# Altium PCB JacdacRp2040BrainEc30-NoStamp 124.PcbDoc (part 2 of 2) (continued)
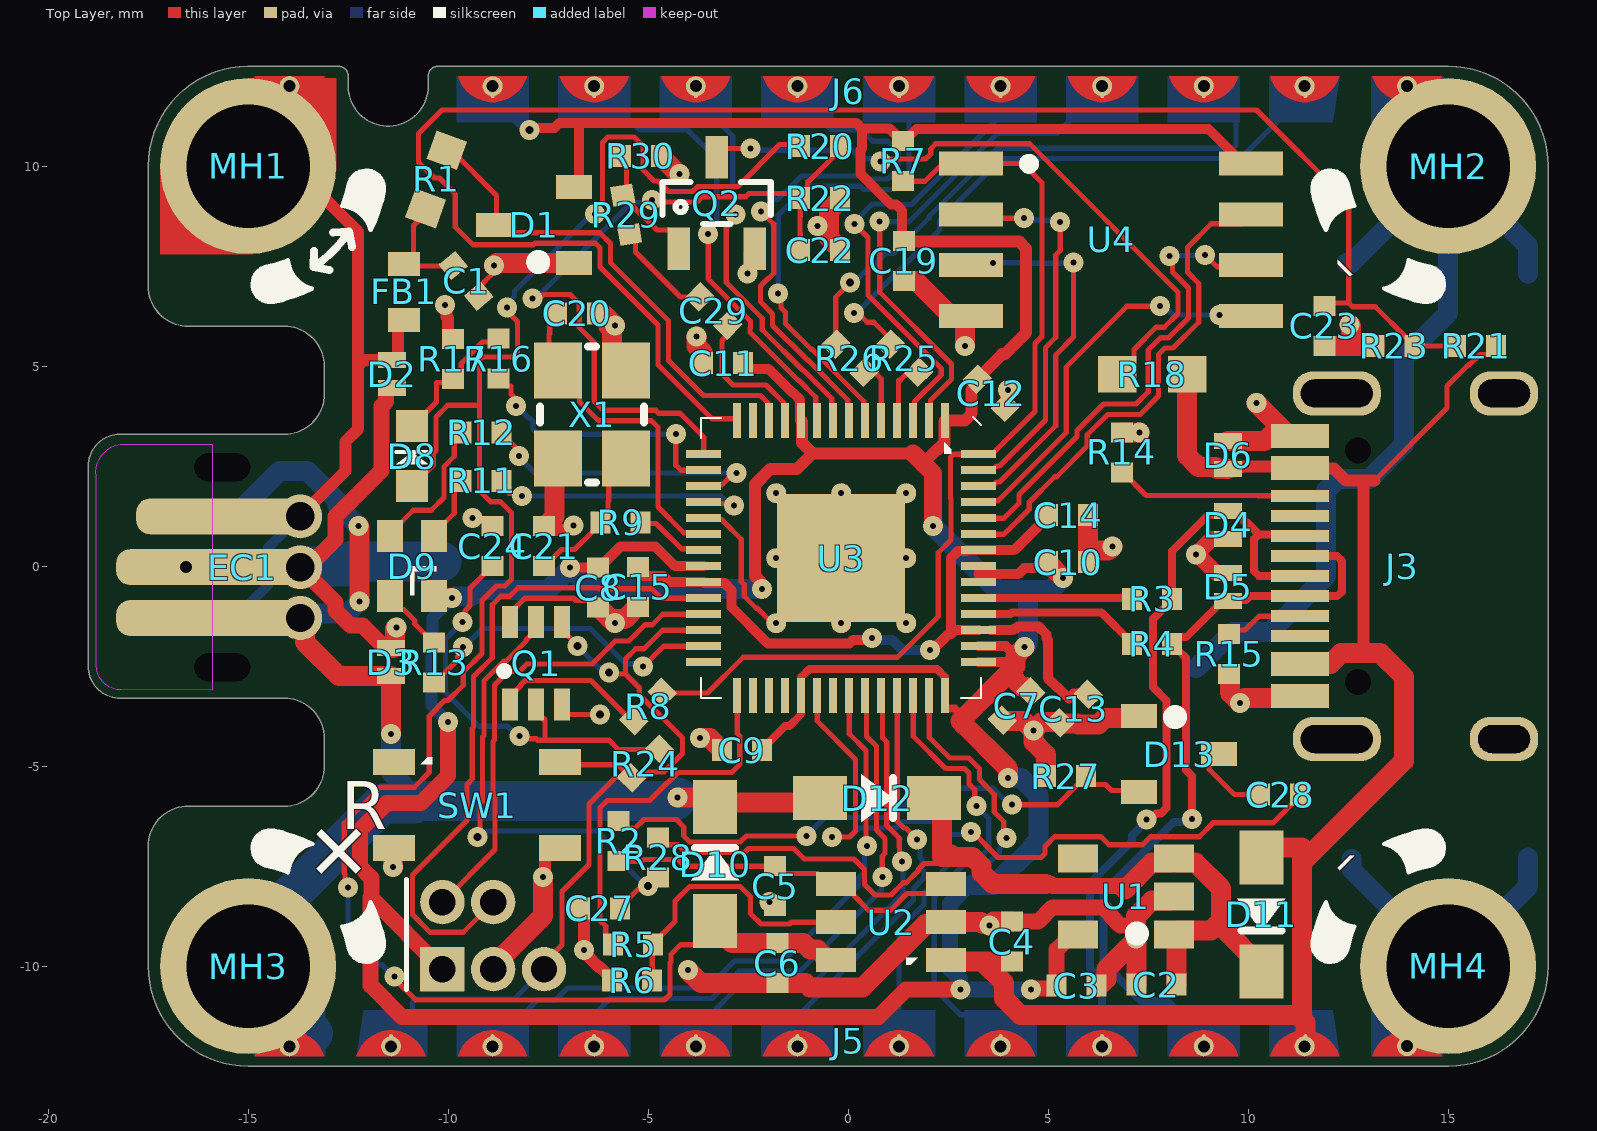
[diagram p0: Top Layer view]
## Nets (pads, with @x,y where several pads share a name; then routed paths per layer and width w, separated by ;. In a path a pad name is that pad's centre, name@x,y a point inside that pad or via, vN(x,y) a via of type N, cw(c..) or ccw(c..) an arc to the next point about the centre after c; other vN are vias at no path point) (continued)
  Bottom Layer w0.13: v1(-9.626,-2.021) -9.609,-2.021 -9.143,-1.555 -6.45,-1.555 -5.568,-2.436 -5.196,-2.436 v1(-5.126,-2.507)
MCU_QSPI_SCLK: U3.52 U4.6 | length 12.1
  Top Layer w0.13: U3.52@3.263,1.2 3.895,1.2 4.268,1.573 4.268,1.794 5.717,3.243 5.717,3.392 6.379,4.054 7.193,4.054 7.499,4.36 7.499,5.406 7.805,5.712 8.009,5.712 8.505,6.208 8.505,6.959 8.106,7.358 8.106,7.686 v1(8.035,7.756) ; v1(8.925,7.781) 9.22,7.486 10.032,7.486 U4.6@10.07,7.525
  Bottom Layer w0.13: v1(8.035,7.756) 8.047,7.769 8.913,7.769 v1(8.925,7.781)
MCU_QSPI_SD0: U3.53 U4.5 | length 9.9
  Top Layer w0.13: U3.53@3.263,1.6 3.298,1.635 3.742,1.635 5.449,3.343 5.449,4.984 6.965,6.5 v1(7.8,6.5) ; v1(9.281,6.28) 9.306,6.255 U4.5@10.07,6.255
  Bottom Layer w0.13: v1(7.8,6.5) 7.9,6.5 8.12,6.28 v1(9.281,6.28)
MCU_QSPI_SD1: U3.55 U4.2 | length 10.8
  Top Layer w0.13: U4.2@3.07,8.795 3.37,8.795 3.465,8.7 v1@4.262,8.7 ; U3.55@3.263,2.4 3.298,2.435 3.635,2.435 3.705,2.505 3.781,2.505 4.929,3.654 4.929,5.462 5.189,5.722 5.189,7.781 5.3,7.892 v1(5.3,8.6) ; v1@4.365,8.597 v1@4.262,8.7 ; v1@4.262,8.7 v1(4.4,8.7) ; v1@4.262,8.7 v1(4.4,8.7) ; v1@4.262,8.7 v1(4.4,8.7) ; v1@4.262,8.7 v1(4.4,8.7) ; v1@4.262,8.7 v1(4.4,8.7) ; v1@4.262,8.7 v1(4.4,8.7) ; v1@4.262,8.7 v1(4.4,8.7) ; v1@4.262,8.7 v1(4.4,8.7) ; v1@4.262,8.7 v1(4.4,8.7)
  Bottom Layer w0.13: v1(4.4,8.7) 4.452,8.648 4.453,8.65 5.25,8.65 v1(5.3,8.6)
MCU_QSPI_SD2: U3.54 U4.3 | length 8.9
  Top Layer w0.13: U3.54@3.263,2 3.6,2 3.705,2.105 3.781,2.105 5.189,3.514 5.189,5.283 5.634,5.727 v1(5.634,7.597)
  Bottom Layer w0.13: v1(3.62,7.586) 4.484,7.586 4.497,7.573 5.611,7.573 v1(5.634,7.597)
MCU_QSPI_SD3: U3.51 U4.7 | length 12.5
  Top Layer w0.13: U3.51@3.263,0.8 3.895,0.8 4.528,1.433 4.528,1.604 5.161,2.237 5.211,2.237 5.977,3.003 5.977,3.285 6.486,3.794 7.301,3.794 7.759,4.252 7.759,5.299 7.913,5.452 8.117,5.452 8.765,6.1 8.765,7.067 8.48,7.352 8.48,7.965 9.074,8.56 9.835,8.56 U4.7@10.07,8.795
MCU_QSPI_SS: R7.2 R8.1 U3.56 U4.1 | length 24
  Top Layer w0.13: R8.1@-4.652,-3.153 -4.634,-3.171 -3.521,-3.171 -2.626,-2.275 1.229,-2.275 2.25,-1.254 2.25,0.338 2.57,0.658 2.57,1.683 2.554,1.699 2.554,2.724 2.63,2.8 U3.56@3.263,2.8 3.298,2.835 3.635,2.835 4.669,3.869 4.669,5.57 4.845,5.746 4.845,9.585 4.365,10.065 3.345,10.065 U4.1@3.07,10.065 2.987,9.981 2.276,9.981 1.92,9.625 R7.2@1.375,9.625
MCU_USB_D_N: R4.1 U3.46 | length 4.2
  Top Layer w0.2: U3.46@3.263,-1.2 4.058,-1.2 4.1,-1.158 6.333,-1.158 7.1,-1.925 R4.1@7.1,-1.95
MCU_USB_D_P: R3.1 U3.47 | length 3.8
  Top Layer w0.2: U3.47@3.263,-0.8 7.082,-0.8 R3.1@7.1,-0.818
NetC1_2: C1.2 FB1.2 R1.1 | length 2.9
  Top Layer w0.13: R1.1@-10.565,8.942 -10.565,8.817 -10.865,8.517 -10.865,7.793 FB1.2@-11.1,7.558 -11.044,7.502 -9.994,7.502 -9.978,7.518 C1.2@-9.875,7.518
NetC5_2: C5.2 R2.2 U2.3 U2.4 | length 9
  Top Layer w0.13: R2.2@-5.738,-7.368 -5.723,-7.383 -5.16,-7.383 -5.108,-7.331 -4.26,-7.331 -4.091,-7.5 C5.2@-1.827,-7.5 -1.642,-7.685 -0.765,-7.685 -0.5,-7.95 -0.1,-7.95 0.135,-8.185 0.135,-8.223 0.511,-8.599 1.056,-8.599 1.47,-8.185 2.215,-8.185 U2.3@2.45,-7.95
NetC21_1: C21.1 R9.1 X1.1 | length 3.9
  Top Layer w0.13: C21.1@-7.605,0.005 -7.58,0.005 -7.169,0.416 -6.841,0.416 R9.1@-6.424,0.833 ; R9.1@-6.424,0.834 -6.188,1.07 R9.1@-6.188,1.095 ; R9.1@-6.373,1.305 -6.348,1.28 -6.003,1.28 -6.003,1.615 -5.988,1.63 -5.988,1.953 -5.985,1.957 -5.985,2.257 X1.1@-5.55,2.692
NetC24_2: C24.2 Q1.2 R24.2 | length 10.6
  Top Layer w0.13: v1(-9.646,-1.391) -9.575,-1.32 -9.575,-1.104 -9.455,-0.984 -9.455,-0.549 -8.915,-0.009 C24.2@-8.89,-0.009 ; v1(-8.22,-4.242) -8.149,-4.313 -7.799,-4.313 -7.764,-4.348 -7.58,-4.348 ; Q1.2@-7.8,-3.453 -7.8,-3.653 -7.7,-3.753 -7.64,-3.813 -7.6,-3.813 -7.58,-3.833 -7.58,-4.348 ; R24.2@-4.711,-4.581 -5.747,-4.581 -5.98,-4.348 -7.58,-4.348
  Bottom Layer w0.13: v1(-9.646,-1.391) -10.071,-1.816 -10.071,-3.16 -9.229,-4.002 -8.517,-4.002 -8.276,-4.242 v1(-8.22,-4.242)
NetC27_2: C27.2 Q1.5 R28.2 | length 12
  Top Layer w0.13: v2(-9.273,-6.772) -9.202,-6.701 -9.202,-5.935 -9.14,-5.873 -9.14,-4.273 -9.105,-4.237 -9.105,-2.865 -8.61,-2.37 -8.55,-2.37 -8.055,-1.874 -8.055,-1.848 -7.8,-1.593 Q1.5@-7.8,-1.393 ; C27.2@-5.708,-8.556 -5.708,-8.531 -5.248,-8.071 -5.071,-8.071 v2(-5,-8)
  Bottom Layer w0.13: v2(-9.273,-6.772) -9.173,-6.772 -9.017,-6.616 -6.281,-6.616 -5.53,-7.367 -5.53,-7.528 -5.059,-8 v2(-5,-8)
NetC28_1: C28.1 D13.3 | length 2
  Top Layer w0.13: D13.3@9.271,-4.698 9.256,-4.698 9.021,-4.933 9.021,-5.076 9.652,-5.707 C28.1@10.3,-5.707
NetC29_2: C29.2 R29.2 | length 2.5
  Top Layer w0.13: R29.2@-5.393,8.293 -5.316,8.216 -5.316,7.859 -4.19,6.734 -4.015,6.734 -3.997,6.717 -3.735,6.717 C29.2@-3.718,6.734
NetD8_1: D8.1 R16.2 R17.1 | length 3.5
  Top Layer w0.13: D8.1@-10.9,3.5 -10.294,4.106 -10.294,4.59 -9.969,4.59 R17.1@-9.884,4.675 -9.859,4.675 -9.674,4.86 -9.674,5.069 -9.14,5.603 -8.825,5.603 R16.2@-8.74,5.688
NetD9_2: D9.2 R13.1 | length 1.7
  Top Layer w0.13: D9.2@-11.45,-0.75 -11.45,-0.825 -11.19,-1.085 -11.11,-1.085 -10.835,-1.36 -10.835,-1.441 -10.375,-1.901 R13.1@-10.35,-1.901
NetD9_3: D9.3 R12.1 | length 3.6
  Top Layer w0.13: D9.3@-11.45,0.75 -11.45,0.825 -10.876,1.399 -10.425,1.399 -10.109,1.715 -10.109,2.488 -9.849,2.748 -9.849,3.16 R12.1@-9.664,3.345
NetD9_4: D9.4 R11.1 | length 1.7
  Top Layer w0.13: D9.4@-10.35,0.75 -10.35,0.825 -9.849,1.326 -9.849,1.948 R11.1@-9.664,2.133
NetD13_2: D13.2 R2.1 R27.2 | length 14.7
  Top Layer w0.13: R2.1@-5.738,-6.368 -5.553,-6.553 -5.342,-6.553 -5.336,-6.559 -5.108,-6.331 -4.296,-6.331 -4.111,-6.516 -4.111,-6.745 -3.961,-6.895 -2.699,-6.895 -2.55,-6.746 v1(-1.04,-6.746) ; v1(4.095,-5.961) 5.233,-5.961 5.734,-5.461 5.759,-5.461 5.881,-5.338 5.881,-5.313 6.029,-5.461 6.433,-5.461 6.582,-5.609 7.232,-5.609 D13.2@7.271,-5.648
  Bottom Layer w0.13: v1(-1.04,-6.746) -0.578,-6.284 1.087,-6.284 1.82,-5.552 3.622,-5.552 4.032,-5.961 v1(4.095,-5.961)
NetQ2_1: Q2.1 R29.1 R30.1 | length 3.1
  Top Layer w0.13: R30.1@-5.681,10.259 -5.555,10.134 -5.555,9.939 -5.54,9.924 -5.54,9.154 -5.167,8.782 -5.155,8.782 -4.779,8.405 -4.456,8.405 -4.241,8.191 Q2.1@-4.241,7.937
NetQ2_3: Q2.3 R18.1 | length 16.4
  Top Layer w0.13: Q2.3@-3.289,10.223 -3.289,10.229 -3.074,10.443 v1(-2.44,10.443) ; v1@0.811,10.123 0.811,10.18 1.935,10.18 2.062,10.307 2.062,10.432 2.189,10.56 4.537,10.56 8.245,6.851 8.245,6.316 7.902,5.972 7.698,5.972 7.141,5.416 7.141,5.192 6.749,4.8 R18.1@6.724,4.8
  Bottom Layer w0.13: v1(-2.44,10.443) -2.394,10.397 0.088,10.397 0.3,10.186 0.74,10.186 0.803,10.186 0.81,10.179 v1(0.81,10.122)
NetR5_2: R5.2 R6.2 U2.5 | length 7.1
  Top Layer w0.13: R6.2@-4.9,-10.353 -4.9,-9.482 R5.2@-4.879,-9.461 -4.879,-9.436 -4.327,-8.884 -4.327,-8.371 -3.961,-8.005 -2.699,-8.005 -2.441,-8.263 -2.441,-8.687 -2.182,-8.945 -1.471,-8.945 -1.426,-8.9 U2.5@-0.3,-8.9
NetR25_1: R25.1 U3.4 | length 1.6
  Top Layer w0.13: U3.4@1.225,3.637 1.26,3.672 1.26,4.648 1.298,4.648 1.497,4.846 R25.1@1.759,4.846
NetR26_1: R26.1 U3.5 | length 1.6
  Top Layer w0.13: R26.1@0.397,4.846 0.458,4.846 0.558,4.947 0.825,4.68 U3.5@0.825,3.637
PD_STATUS: R16.1 U3.16 | length 6.9
  Top Layer w0.13: R16.1@-8.74,4.688 -8.556,4.504 -8.431,4.504 -8.431,4.304 -8.371,4.244 -8.371,4.071 v1(-8.3,4) ; v1(-4.31,3.3) -4.31,2.527 -4.183,2.4 U3.16@-3.612,2.4
  Bottom Layer w0.13: v1(-8.3,4) -8.289,4 -7.992,3.703 -7.961,3.703 -7.883,3.625 -7.883,3.431 -7.752,3.3 v1(-4.31,3.3)
R\E\S\E\T\: J1.5 J5.3 Q1.4 R24.1 SW1.2 U3.26 | length 21.6
  Top Layer w0.13: J1.5@-7.605,-10.075 -7.605,-9.919 -7.153,-9.467 -7.153,-8.129 -6.48,-7.456 -6.48,-5.942 -5.809,-5.271 -5.453,-5.271 R24.1@-5.418,-5.306 ; SW1.2@-7.2,-4.901 -7.136,-4.965 -5.759,-4.965 R24.1@-5.418,-5.306 ; Q1.4@-7.15,-1.393 -7.15,-1.593 -6.769,-1.974 v2(-6.769,-2) ; v2(-5.98,-2.654) -5.942,-2.691 -5.571,-2.691 ; U3.26@-3.612,-1.6 -4.643,-1.6 -5.105,-2.062 -5.31,-2.062 -5.571,-2.323 -5.571,-2.691 ; -5.571,-2.691 -5.218,-3.044 -5.218,-3.216 -4.145,-4.289 -4.145,-4.68 -4.613,-5.148 -4.981,-5.148 -5.139,-5.306 R24.1@-5.418,-5.306
  Bottom Layer w0.13: -11.33,-11.75 -10.895,-11.315 -10.895,-10.901 -10.819,-10.825 -8.355,-10.825 J1.5@-7.605,-10.075 ; v2(-6.769,-2) -6.233,-2.537 -6.197,-2.537 -6.08,-2.654 v2(-5.98,-2.654)
SWCLK: J1.4 U3.24 | length 16.7
  Top Layer w0.13: J1.4@-8.875,-8.399 -9.625,-9.149 -10.456,-9.149 -10.895,-8.709 -10.895,-7.721 -9.533,-6.359 -9.533,-5.453 -9.4,-5.321 -9.4,-4.057 -9.365,-4.021 -9.365,-2.757 -8.898,-2.29 -8.898,-0.966 -8.685,-0.753 -8.466,-0.753 -8.251,-0.538 -6.25,-0.538 -6.227,-0.561 -4.91,-0.561 -4.669,-0.802 U3.24@-3.612,-0.8 U3.24@-3.612,-0.8
SWDIO: J1.2 U3.25 | length 12
  Top Layer w0.13: J1.2@-10.145,-8.399 -8.828,-7.081 -8.828,-5.757 -8.88,-5.705 -8.88,-4.38 -8.845,-4.345 -8.845,-2.973 -8.502,-2.63 -8.22,-2.63 -8.035,-2.445 -6.401,-2.445 -5.826,-1.87 -5.485,-1.87 -5.077,-1.461 -4.9,-1.461 -4.638,-1.2 U3.25@-3.612,-1.2
USB_D_N: D5.1 J3.A7 J3.B7 J5.19 R4.2 | length 19.1
  Top Layer w0.2: v1(8.592,-6.318) 8.592,-5.244 8.441,-5.094 8.441,-2.291 8.275,-2.125 8.25,-2.125 8.1,-1.975 R4.2@8.1,-1.95 8.1,-1.925 8.25,-1.775 8.45,-1.775 9.375,-0.85 D5.1@9.425,-0.85 ; D5.1@9.5,-0.875 9.525,-0.85 9.95,-0.85 10.05,-0.75 J3.B7@11.294,-0.75 12.225,-0.75 12.342,-0.633 12.342,0.133 12.225,0.25 J3.A7@11.3,0.25
  Bottom Layer w0.2: v1(8.592,-6.318) 8.511,-6.318 8.435,-6.393 8.136,-6.393 6.379,-8.151 6.379,-9.918 7.33,-10.87 7.975,-10.87 8.325,-11.22 8.596,-11.22 8.876,-11.5
USB_D_P: D4.1 J3.A6 J3.B6 J5.17 R3.2 | length 19.5
  Top Layer w0.2: v1(7.463,-6.328) 7.544,-6.328 7.694,-6.178 7.817,-6.178 7.951,-6.044 7.951,-3.353 7.62,-3.022 7.62,-1.323 R3.2@8.1,-0.843 ; R3.2@8.1,-0.818 R3.2@8.1,-0.843 ; D4.1@9.45,1.375 9.65,1.375 9.92,1.105 9.955,1.105 10.267,0.793 ; D4.1@9.5,1.375 9.4,1.275 8.997,1.275 8.1,0.378 R3.2@8.1,-0.843 ; J3.A6@11.3,-0.25 10.275,-0.25 10.15,-0.125 10.15,0.675 10.267,0.793 ; J3.B6@11.3,0.75 11.257,0.793 10.267,0.793
  Bottom Layer w0.2: 6.35,-11.68 6.35,-10.356 6.049,-10.055 6.049,-7.918 7.091,-6.876 7.091,-6.735 7.463,-6.363 v1(7.463,-6.328)
USB_PBKA: C29.1 U3.11 | length 3.6
  Top Layer w0.13: C29.1@-3.011,6.027 -3.011,5.787 -3.155,5.642 -3.155,4.804 -2.881,4.53 -2.054,4.53 -1.61,4.086 -1.61,4.01 -1.575,3.975 U3.11@-1.575,3.637
VCOMB: C2.2 D11.1 D12.1 R28.1 U1.1 U1.3 | length 23.4
  Top Layer w0.13: R28.1@-4.752,-6.776 -4.567,-6.961 -4.263,-6.961 -4.068,-7.155 -2.591,-7.155 -2.491,-7.055 -1.36,-7.055 -1.099,-7.316 0.142,-7.316 0.405,-7.579 0.405,-7.954 0.668,-8.217 1.071,-8.217 1.374,-7.913 1.451,-7.913 1.755,-7.609 1.755,-7.569 1.892,-7.432 2.35,-7.432 ; 2.35,-7.27 2.35,-7.432 ; 2.399,-7.27 2.412,-7.27 2.412,-7.284 2.455,-7.327 2.35,-7.432
  Top Layer w0.4: 4.939,-7.948 5.065,-7.948 5.115,-7.998 6.829,-7.998 6.917,-8.086
  Top Layer w0.5: D12.1@2.15,-5.8 2.35,-6 2.35,-7.27 2.512,-7.27 2.574,-7.208 2.636,-7.27 3.107,-7.27 3.33,-7.493 3.33,-7.655 3.623,-7.948 4.939,-7.948 ; 6.917,-8.086 7.596,-7.408 8.041,-7.408 U1.3@8.141,-7.308 8.241,-7.408 8.679,-7.408 9.323,-8.052 9.323,-9.003 10.33,-10.011 D11.1@10.33,-10.136 ; C2.2@8.203,-10.457 8.203,-9.269 U1.1@8.141,-9.208 8.241,-9.108 9.072,-9.108 9.199,-8.981 9.323,-8.981
VUSB: C4.2 D6.1 D11.2 J3.A4 J3.A9 J3.B4 J3.B9 J5.21 R18.2 R21.2 U2.1 | length 41.7
  Top Layer w0.13: 13.157,2.139 14.973,3.955 14.973,4.505 15.505,5.037 15.531,5.037 15.791,5.297 16.015,5.297 16.2,5.482 R21.2@16.2,5.507
  Top Layer w0.3: D6.1@9.5,2.425 9.55,2.475 9.856,2.475 9.876,2.494 J3.A9@11.268,2.494 ; J3.A4@11.3,-2.6 11.3,-2.439 12.053,-2.439 ; J3.B4@11.3,2.3 11.3,2.391 11.353,2.444 12.14,2.444 12.446,2.139 12.879,2.139 ; J3.A9@11.3,2.6 11.373,2.6 J3.B4@11.373,2.3 ; 12.81,-2.174 12.879,-2.106 12.879,2.139 ; 13.157,2.139 12.879,2.139
  Top Layer w0.5: U2.1@2.45,-9.85 2.485,-9.885 3.365,-9.885 ; C4.2@4.09,-9.885 3.365,-9.885 ; R18.2@8.476,4.8 8.47,4.794 8.47,2.768 8.763,2.475 9.18,2.475 9.23,2.425 D6.1@9.5,2.425 ; D11.2@10.33,-7.286 10.58,-7.036 11.339,-7.036 11.339,-7.419 ; J5.21@11.43,-11.75 11.43,-11.401 11.339,-11.31 11.339,-11.101 ; 12.053,-2.439 12.318,-2.174 12.81,-2.174 13.303,-2.174 13.894,-2.765 13.894,-4.864 11.339,-7.419 ; 3.365,-9.885 3.897,-10.417 3.897,-10.808 4.309,-11.22 11.22,-11.22 11.339,-11.101 ; 11.339,-11.101 11.339,-7.419
VUSB_DET: C23.2 R21.1 R23.2 U3.14 | length 43.5
  Top Layer w0.13: U3.14@-2.775,3.637 -2.81,3.672 -2.81,3.686 -3.404,3.686 -4.755,5.037 -4.755,6.027 -6.205,7.477 -6.205,7.961 -6.319,8.075 -7.83,8.075 -7.87,8.035 -9.381,8.035 -9.823,8.477 -9.823,9.307 -10.218,9.702 -10.346,9.702 -10.742,10.098 -10.742,10.815 -10.152,11.405 10.205,11.405 12.511,9.099 12.511,6.582 ; C23.2@11.904,6.507 11.979,6.582 12.511,6.582 ; R21.1@15.2,5.507 R23.2@14.154,5.507 14.154,5.532 13.969,5.717 13.944,5.717 13.174,6.487 12.606,6.487 12.511,6.582
XIN: C20.1 U3.20 X1.3 | length 8.3
  Top Layer w0.13: C20.1@-7.279,6.322 -7.464,6.137 -7.464,5.802 -7.479,5.787 -7.479,5.12 X1.3@-7.25,4.892 -7.25,4.792 -6.715,4.257 -6.715,4.113 -6.61,4.008 -6.239,3.637 -4.92,3.637 -4.755,3.472 -4.755,1.48 -4.11,0.835 -3.647,0.835 U3.20@-3.612,0.8
XOUT: R9.2 U3.21 | length 1.9
  Top Layer w0.13: R9.2@-5.188,1.095 -5.188,1.07 -4.803,1.07 -4.168,0.435 -3.647,0.435 U3.21@-3.612,0.4
pads on no net: EC1. J3.1 J3.2 J3.3 J3.4 J3.A8 J3.B8 SW1.1 U1.4 U3.28 U3.30 U3.31 U3.32 U3.35

## Polygon pours and split planes (outlines as drawn)
no net on Bottom Assy "NONET_L-01_P-001" (hatched 45Degree grid 0.15 track 0.01): 17.5,-8.342 ccw(c15,-10) 13.342,-12.5 15,-12.5 ccw(c15,-10) 17.5,-10
no net on Bottom Assy "NONET_L-01_P-001" (hatched 45Degree grid 0.15 track 0.01): -17.5,8.342 ccw(c-15,10) -13.342,12.5 -15,12.5 ccw(c-15,10) -17.5,10
no net on Bottom Assy "NONET_L-01_P-001" (hatched 45Degree grid 0.15 track 0.01): -14.3,-2.868 -18.2,-2.868 cw(c-18.2,-2.468) -18.6,-2.468 -18.6,-2.466 -18.6,2.477 -18.6,2.474 cw(c-18.2,2.474) -18.2,2.874 -18.198,2.874 -14.3,2.874
no net on Bottom Assy "NONET_L-01_P-001" (hatched 45Degree grid 0.15 track 0.01): -17.5,-8.342 cw(c-15,-10) -13.342,-12.5 -15,-12.5 cw(c-15,-10) -17.5,-10
no net on Bottom Assy "NONET_L-01_P-001" (hatched 45Degree grid 0.15 track 0.01): 17.5,8.342 cw(c15,10) 13.342,12.5 15,12.5 cw(c15,10) 17.5,10
no net on Fabrication notes "NONET_L-01_P-001" (hatched 45Degree grid 0.6 track 0.01): -19.5,-6.5 -13,-6.5 -13,6.5 -19.5,6.5
no net on Fabrication notes "NONET_L-01_P-001" (hatched 45Degree grid 0.6 track 0.01): 15.378,14.165 15.378,11.465 15.378,11.453 -15.34,11.457 -15.34,14.142
no net on Fabrication notes "NONET_L-01_P-001" (hatched 45Degree grid 0.6 track 0.01): 15.341,-14.212 15.341,-11.512 15.341,-11.5 -15.377,-11.504 -15.377,-14.189
GND on Bottom Layer "NONET_L-01_P-001" (solid, remove dead copper, pour order 1): -17.5,-10 -17.5,-6.97 -17.5,-7 cw(c-16.5,-7) -16.5,-6 -14.1,-6 ccw(c-14.1,-5) -13.1,-5 -13.1,-4.3 ccw(c-14.1,-4.3) -14.1,-3.3 -18.2,-3.3 cw(c-18.2,-2.5) -19,-2.5 -19,2.5 cw(c-18.2,2.5) -18.2,3.3 -14.1,3.3 -14.098,3.3 ccw(c-14.098,4.3) -13.098,4.3 -13.1,4.3 -13.1,5 ccw(c-14.1,5) -14.1,6 -16.5,6 cw(c-16.5,7) -17.5,7 -17.5,6.97 -17.5,10 cw(c-15,10) -15,12.5 -12.75,12.5 cw(c-12.75,12.25) -12.5,12.25 -12.5,12 ccw(c-11.5,12) -10.5,12 -10.5,12.25 cw(c-10.25,12.25) -10.25,12.5 15,12.5 cw(c15,10) 17.5,10 17.5,-10 cw(c15,-10) 15,-12.5 -15,-12.5 cw(c-15,-10)
no net on Bottom Assy "NONET_L-01_P-001" (hatched 45Degree grid 0.3 track 0.01): -11.05,11 -11.046,11.109 ccw(c-11.5,12) -10.5,12 -10.5,12.25 cw(c-10.25,12.25) -10.25,12.5 15,12.5 cw(c15,10) 17.5,10 17.5,6.878 cw(c15,10) 11.127,11
no net on Bottom Assy "NONET_L-01_P-001" (hatched 45Degree grid 0.3 track 0.01): -17.5,-10 -17.5,-7.018 -17.5,-7 cw(c-16.5,-7) -16.5,-6 -14.1,-6 ccw(c-14.1,-5) -13.1,-5 -13.1,-4.3 ccw(c-14.1,-4.3) -14.1,-3.3 -18.2,-3.3 cw(c-18.2,-2.5) -19,-2.5 -19,2.5 cw(c-18.2,2.5) -18.2,3.3 -14.1,3.3 ccw(c-14.1,4.3) -13.1,4.3 -13.1,5 ccw(c-14.1,5) -14.1,6 -16.5,6 cw(c-16.5,7) -17.5,7 -17.5,7.003 -17.5,10 cw(c-15,10) -15,12.5 -12.75,12.5 cw(c-12.75,12.25) -12.5,12.25 -12.5,12 ccw(c-11.5,12) -11.5,11 -11.127,11 cw(c-15,10) -11.999,7.355 -12,7.355 -12,-7.355 cw(c-15,-10) -11.127,-11 11.126,-11 11.127,-11 cw(c15,-10) 17.5,-6.878 17.5,-10 cw(c15,-10) 15,-12.5 -12.729,-12.5 -15,-12.5 cw(c-15,-10)

## Other copper
Top Layer:
  text "Top Layer" at -16.049,26.25 h1.7
Bottom Layer:
  pour cut-out: -19,3.3 -13.7,3.3 -13.7,-3.3 -19,-3.3
  pour cut-out: 12.3,12.5 12.3,10.5 -12.3,10.5 -12.3,12.5
  pour cut-out: -12.3,-12.5 -12.3,-10.5 12.3,-10.5 12.3,-12.5
  text "Bottom Layer" at -16.05,24.75 h1.7

## Silkscreen, mask and mechanical layers (free items; w line width, h text height)
Top Overlay:
  text "Top Overlay" at -16.049,20.525 h1.7
  text "R" at -12.68,-6.574 h1.2
Bottom Overlay:
  text "Bottom Overlay" at -7.45,26.225 h1.7
  text "MSR" at 1.432,9.45 h1.1
  text "RP2040 brain" at 5.012,-8.782 h1.1
  text "'.ProjectCodenameID' V'.ProjectRevision'" at 3.247,-10.5 h1.1
Top Paste:
  text "Top Paste" at -7.449,24.818 h1.7
Bottom Paste:
  text "Bottom Paste" at -7.45,23.34 h1.7
Top Solder:
  text "Top Solder (resist)" at -7.449,22.018 h1.7
Bottom Solder:
  text "Bottom Solder (resist)" at -7.45,20.527 h1.7
Drill Guide:
  text "Drill Guide" at 5.975,22.015 h1.7
Dimension:
  text "Dimension" at 5.975,23.315 h1.7
Fabrication notes:
  lines w0.01: -19.5,-6.523 -13,-6.523 -12.99,6.5 ; -19.5,6.477 -13,6.477 ; -19.489,6.5 -19.488,-6.5
  lines w0.2: -21.25,-0.223 -17.4,-2.523 -15.65,-2.523 ; -21.25,0.177 -17.4,2.477 -15.65,2.477 ; -21.25,5.977 -19.5,5.977 ; 12.6,-3.27 23.8,0.13 ; 12.6,3.6 23.8,0.2 ; 16.5,-3.435 23.8,0.165 16.5,3.765
  text "Fabrication Notes" at 5.975,26.215 h1.7
  text "11x castellated half-holes/stamp holes" at -10.622,14.901 h1.7
  text "no breakout tabs/ / rat's teeth/mouse bites  / in this region - make  / sure board edge is clean" at -37.397,3.977 h1.7
  text "plated slots x4" at 24.527,-0.307 h1.7
  text "non-plated slots x2" at -32.299,-0.431 h1.7
  text "12x castellated half-holes/stamp holes" at -10.659,-15.607 h1.7
Alignment:
  circle w0.01: c15,-10 r4
  lines w0.02: -14.29,-13.02 -14.29,-12.38 -13.65,-12.38 -13.65,-13.02 -14.29,-13.02 ; -14.29,12.38 -14.29,13.02 -13.65,13.02 -13.65,12.38 -14.29,12.38 ; -11.75,-13.02 -11.75,-12.38 -11.11,-12.38 -11.11,-13.02 -11.75,-13.02 ; -9.21,-13.02 -9.21,-12.38 -8.57,-12.38 -8.57,-13.02 -9.21,-13.02 ; -9.21,12.38 -9.21,13.02 -8.57,13.02 -8.57,12.38 -9.21,12.38 ; -6.67,-13.02 -6.67,-12.38 -6.03,-12.38 -6.03,-13.02 -6.67,-13.02 ; -6.67,12.38 -6.67,13.02 -6.03,13.02 -6.03,12.38 -6.67,12.38 ; -4.13,-13.02 -4.13,-12.38 -3.49,-12.38 -3.49,-13.02 -4.13,-13.02 ; -4.13,12.38 -4.13,13.02 -3.49,13.02 -3.49,12.38 -4.13,12.38 ; -1.59,-13.02 -1.59,-12.38 -0.95,-12.38 -0.95,-13.02 -1.59,-13.02 ; -1.59,12.38 -1.59,13.02 -0.95,13.02 -0.95,12.38 -1.59,12.38 ; 0.95,-13.02 0.95,-12.38 1.59,-12.38 1.59,-13.02 0.95,-13.02 ; 0.95,12.38 0.95,13.02 1.59,13.02 1.59,12.38 0.95,12.38 ; 3.49,-13.02 3.49,-12.38 4.13,-12.38 4.13,-13.02 3.49,-13.02 ; 3.49,12.38 3.49,13.02 4.13,13.02 4.13,12.38 3.49,12.38 ; 6.03,-13.02 6.03,-12.38 6.67,-12.38 6.67,-13.02 6.03,-13.02 ; 6.03,12.38 6.03,13.02 6.67,13.02 6.67,12.38 6.03,12.38 ; 8.57,-13.02 8.57,-12.38 9.21,-12.38 9.21,-13.02 8.57,-13.02 ; 8.57,12.38 8.57,13.02 9.21,13.02 9.21,12.38 8.57,12.38 ; 11.11,-13.02 11.11,-12.38 11.75,-12.38 11.75,-13.02 11.11,-13.02 ; 11.11,12.38 11.11,13.02 11.75,13.02 11.75,12.38 11.11,12.38 ; 13.65,-13.02 13.65,-12.38 14.29,-12.38 14.29,-13.02 13.65,-13.02 ; 13.65,12.38 13.65,13.02 14.29,13.02 14.29,12.38 13.65,12.38
Board Outline:
  lines w0.13: -19,-2.5 -19,2.5 ; -18.2,-3.3 -14.1,-3.3 ; -18.2,3.3 -14.1,3.3 ; -17.5,-10 -17.5,-6.97 ; -17.5,6.97 -17.5,10 ; -16.5,-6 -14.1,-6 ; -16.5,6 -14.1,6 ; -15,-12.5 15,-12.5 ; -15,12.5 -12.75,12.5 ; -13.1,-5 -13.1,-4.3 ; -13.1,5 -13.1,4.3 ; -12.5,12 -12.5,12.25 ; -10.5,12 -10.5,12.25 ; -10.25,12.5 15,12.5 ; 17.5,-10 17.5,5.494 17.5,10.003
  lines w0.2: -19,-2.5 ccw(c-18.2,-2.5) -18.2,-3.3 ; -19,2.5 cw(c-18.2,2.5) -18.2,3.3 ; -17.5,-10 ccw(c-15,-10) -15,-12.5 ; -17.5,-7 cw(c-16.5,-7) -16.5,-6 ; -17.5,7 ccw(c-16.5,7) -16.5,6 ; -17.5,10 cw(c-15,10) -15,12.5 ; -14.1,-6 ccw(c-14.1,-5) -13.1,-5 ; -14.1,-3.3 cw(c-14.1,-4.3) -13.1,-4.3 ; -14.1,6 cw(c-14.1,5) -13.1,5 ; -14.098,3.3 ccw(c-14.098,4.3) -13.098,4.3 ; -12.75,12.5 cw(c-12.75,12.25) -12.5,12.25 ; -12.5,12 ccw(c-11.5,12) -10.5,12 ; -10.5,12.25 cw(c-10.25,12.25) -10.25,12.5 ; 15,-12.5 ccw(c15,-10) 17.5,-10 ; 15,12.5 cw(c15,10) 17.5,10
  text "Board Outline" at 5.975,24.815 h1.7
Top Assy:
  text "Top Assy" at -16.049,23.425 h1.7
Bottom Assy:
  text "Bottom Assy" at -16.05,22.025 h1.7
Drill Drawing:
  text "Drill Drawing" at -7.45,19.125 h1.7
Component Keepout Dwg:
  lines w0.01: -17.5,-7 cw(c-16.5,-7) -16.5,-6 -14.1,-6 ccw(c-14.1,-5) -13.1,-5 -13.1,-4.3 ccw(c-14.1,-4.3) -14.1,-3.3 -18.2,-3.3 cw(c-18.2,-2.5) -19,-2.5 -19,2.5 cw(c-18.2,2.5) -18.2,3.3 -14.1,3.3 ccw(c-14.1,4.3) -13.1,4.3 -13.1,5 ccw(c-14.1,5) -14.1,6 -16.5,6 cw(c-16.5,7) -17.5,7
  lines w0.025: -17.5,-7.018 -17.5,-10 ccw(c-15,-10) -15,-12.5 -12.729,-12.5 15,-12.5 ccw(c15,-10) 17.5,-10 17.5,-6.878 ccw(c15,-10) 11.127,-11 ; -17.5,7.003 -17.5,10 cw(c-15,10) -15,12.5 -12.75,12.5 cw(c-12.75,12.25) -12.5,12.25 -12.5,12 ccw(c-11.5,12) -11.5,11 -11.127,11 cw(c-15,10) -11.999,7.355 ; -12,-7.355 -12,7.355 ; -12,-7.355 cw(c-15,-10) -11.127,-11 11.126,-11 ; -10.5,12 cw(c-11.5,12) -11.046,11.109 -11.05,11 11.127,11 ccw(c15,10) 17.5,6.878 17.5,10 ccw(c15,10) 15,12.5 -10.25,12.5 ccw(c-10.25,12.25) -10.5,12.25 -10.5,12 ; -11,11.134 -11,11.134
  text "Component Keepout" at 5.976,20.503 h1.7
Routing Keepout Dwg:
  lines w0.01: -18.6,-2.468 ccw(c-18.2,-2.468) -18.2,-2.868 -14.25,-2.868 ; -18.6,-2.466 -18.6,2.477 ; -18.6,2.474 cw(c-18.2,2.474) -18.2,2.874 ; -18.198,2.874 -14.25,2.874 ; -17.5,-8.342 -17.5,-6.974 ; -17.5,-7 cw(c-16.5,-7) -16.5,-6 -14.1,-6 ccw(c-14.1,-5) -13.1,-5 -13.1,-4.3 ccw(c-14.1,-4.3) -14.1,-3.3 -18.2,-3.3 cw(c-18.2,-2.5) -19,-2.5 -19,2.5 cw(c-18.2,2.5) -18.2,3.3 -14.1,3.3 ccw(c-14.1,4.3) -13.1,4.3 -13.1,5 ccw(c-14.1,5) -14.1,6 -16.5,6 cw(c-16.5,7) -17.5,7 ; -17.5,6.974 -17.5,8.342 ; -14.3,-2.868 -14.3,2.874 ; 17.5,-10 17.5,8.342
  lines w0.025: -17.5,-8.342 -17.5,-10 ccw(c-15,-10) -15,-12.5 -13.342,-12.5 -12.729,-12.5 13.341,-12.5 15,-12.5 ccw(c15,-10) 17.5,-10 ; -12.75,12.5 cw(c-12.75,12.25) -12.5,12.25 -12.5,12 ccw(c-11.5,12) -11.656,11.012 ; -12.729,12.5 -13.342,12.5 ; -12.172,11 ccw(c-15,10) -13.342,12.5 ; -11.5,11 ccw(c-11.5,12) -10.5,12 -10.5,12.25 cw(c-10.25,12.25) -10.25,12.5 13.342,12.5 15,12.5 cw(c15,10) 17.5,10 17.5,8.342 ; -13.342,12.5 cw(c-15,10) -17.5,8.342 -17.5,10 cw(c-15,10) -15,12.5 -13.342,12.5
  text "Routing Keepout" at 6.05,19.125 h1.7

## Text inside footprints (layer, text, board x,y; h text height)
EC1: Mechanical 9 "Jacdac / cable connector  / body" at -23.158,-4.845 h1.7 r90
MH2: Top Overlay "-" at 13.643,8.123 h3.5 r135; Bottom Overlay "-" at 13.643,8.123 h3.5 r135
MH3: Top Overlay "+" at -12.95,-8.67 h2.8 r315; Bottom Overlay "+" at -12.95,-8.67 h2.8 r315
MH4: Top Overlay "-" at 13.123,-8.643 h3.5 r45; Bottom Overlay "-" at 13.123,-8.643 h3.5 r45